# Altium PCB stencil V1.0.PcbDoc (part 1 of 5)
Units mm, origin at the board's own origin, x right, y up, seen from the top; angles counter-clockwise.
Board outline 220 x 90 mm, 2 copper layers (Top Layer, Bottom Layer); 265 components, 68 nets, 1316 pads, 556 vias.
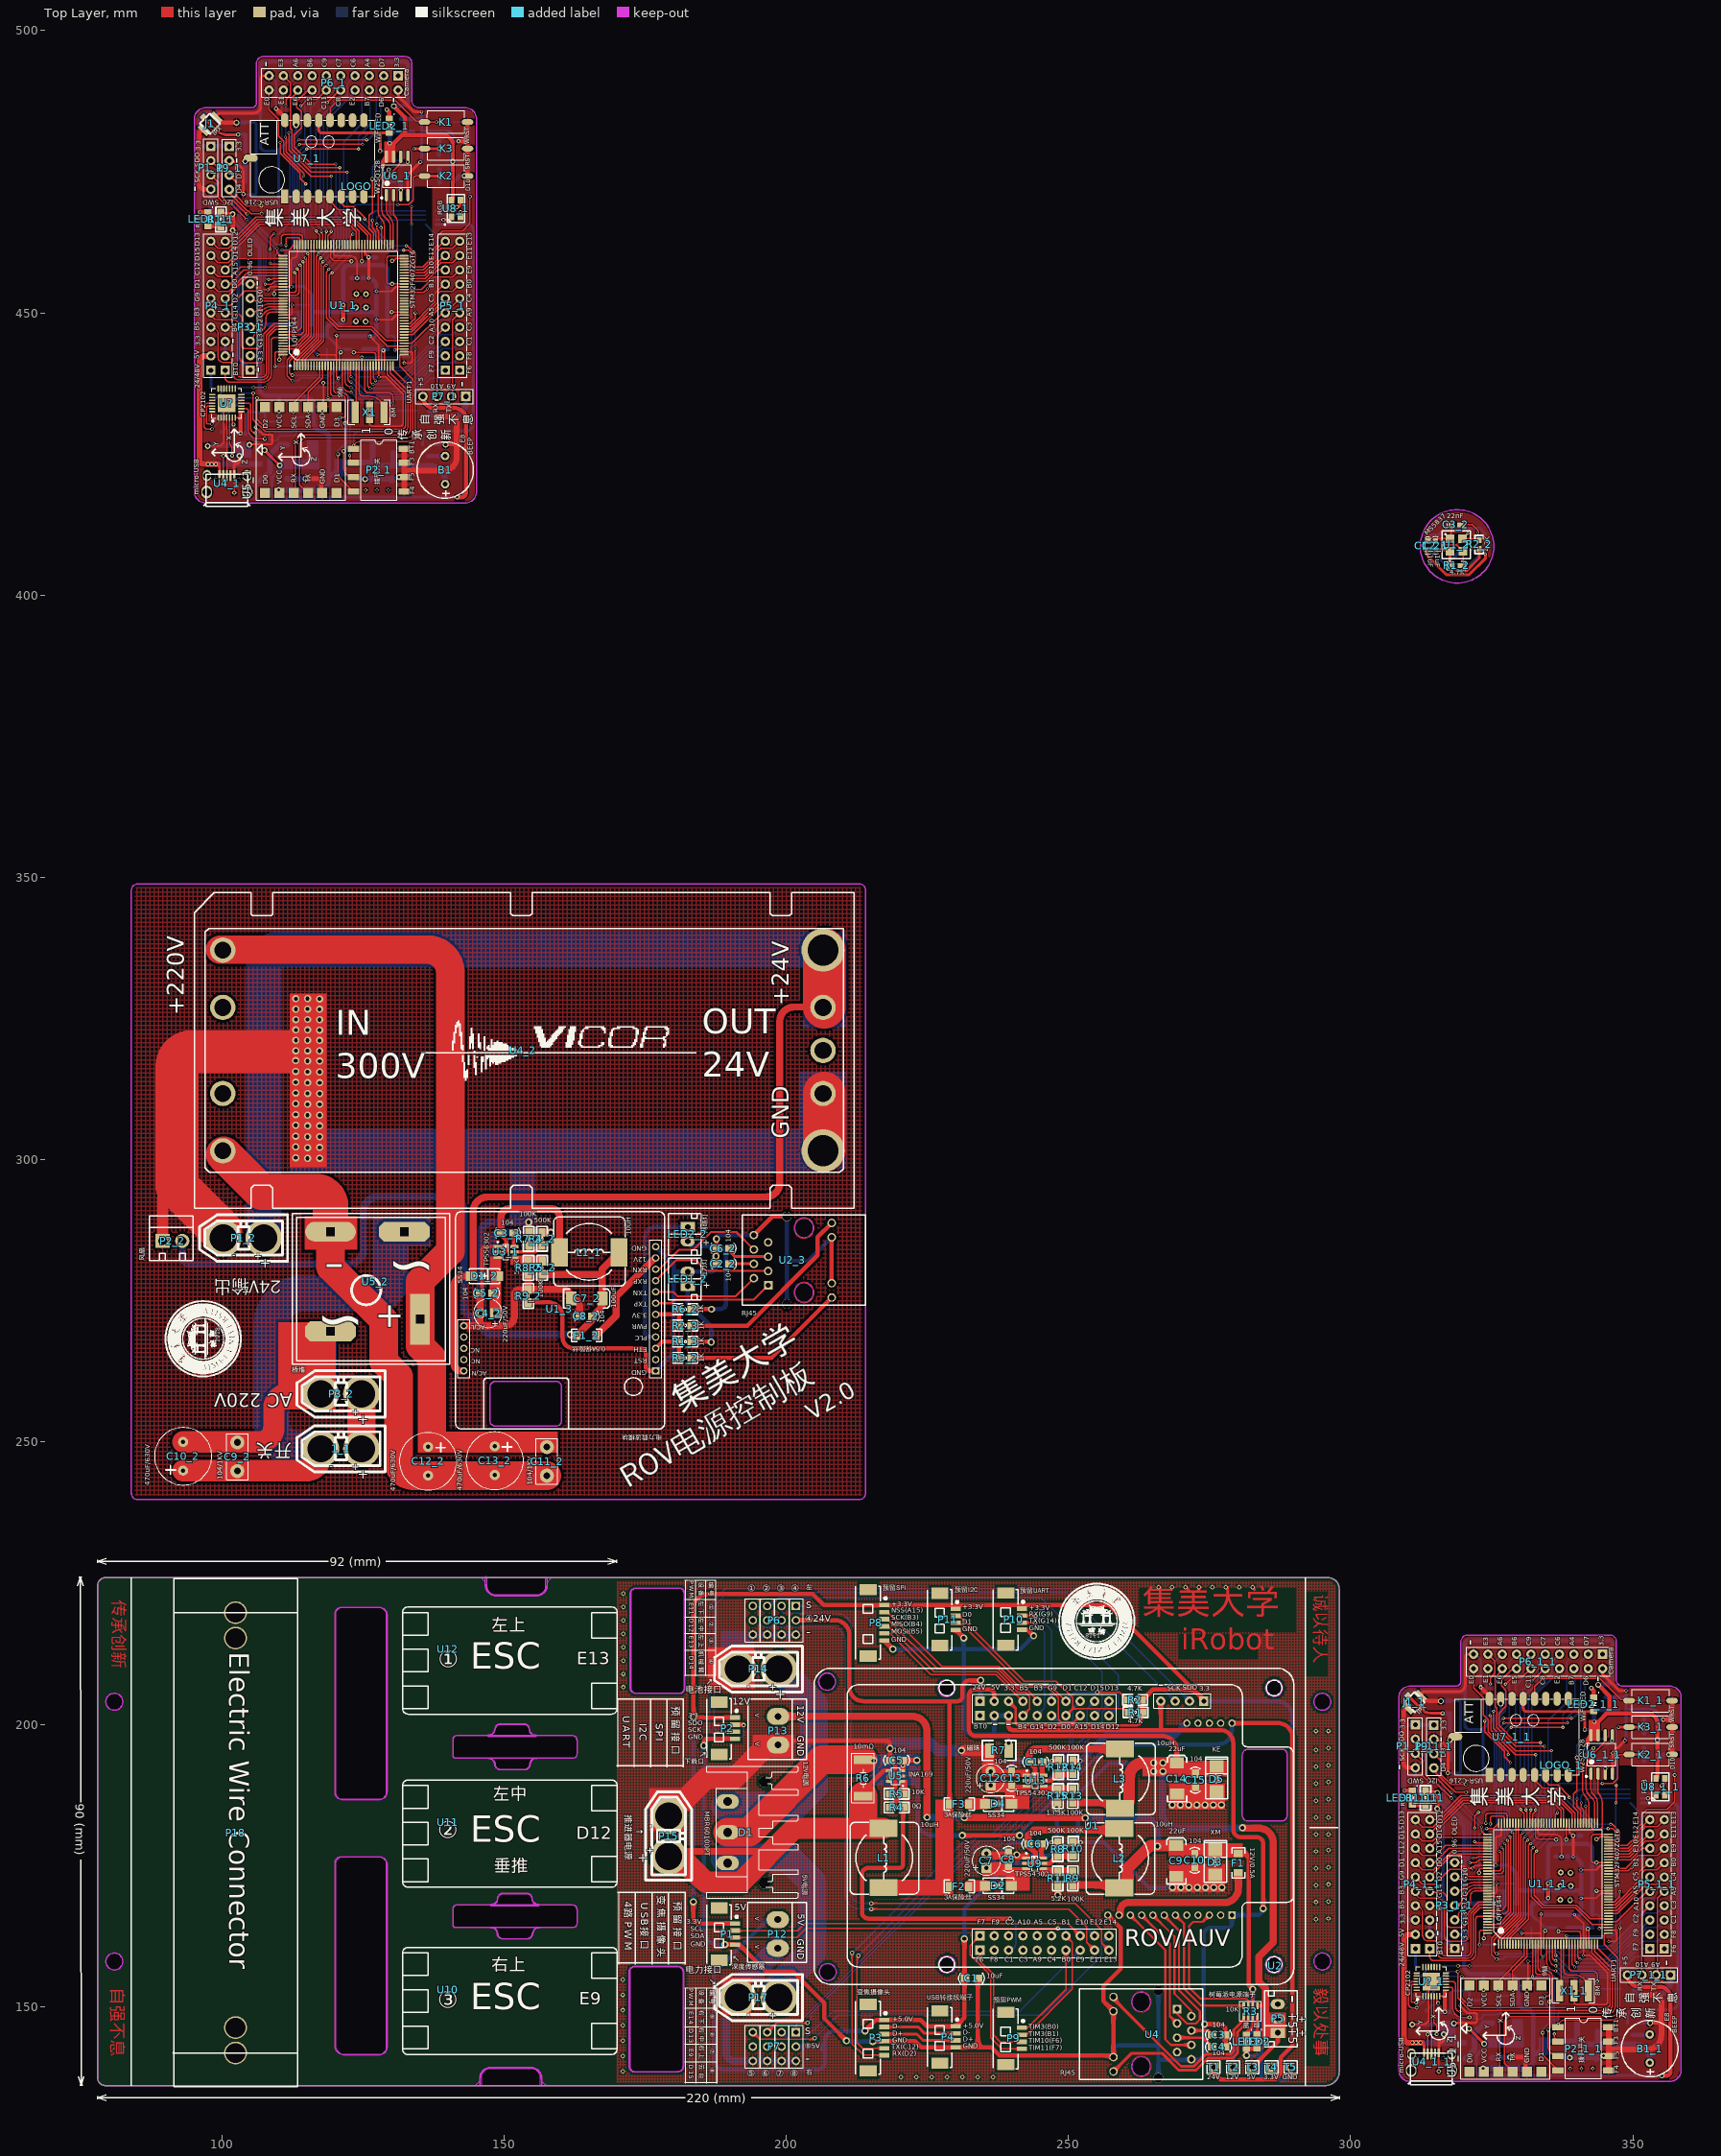
[diagram p0: Top Layer view]
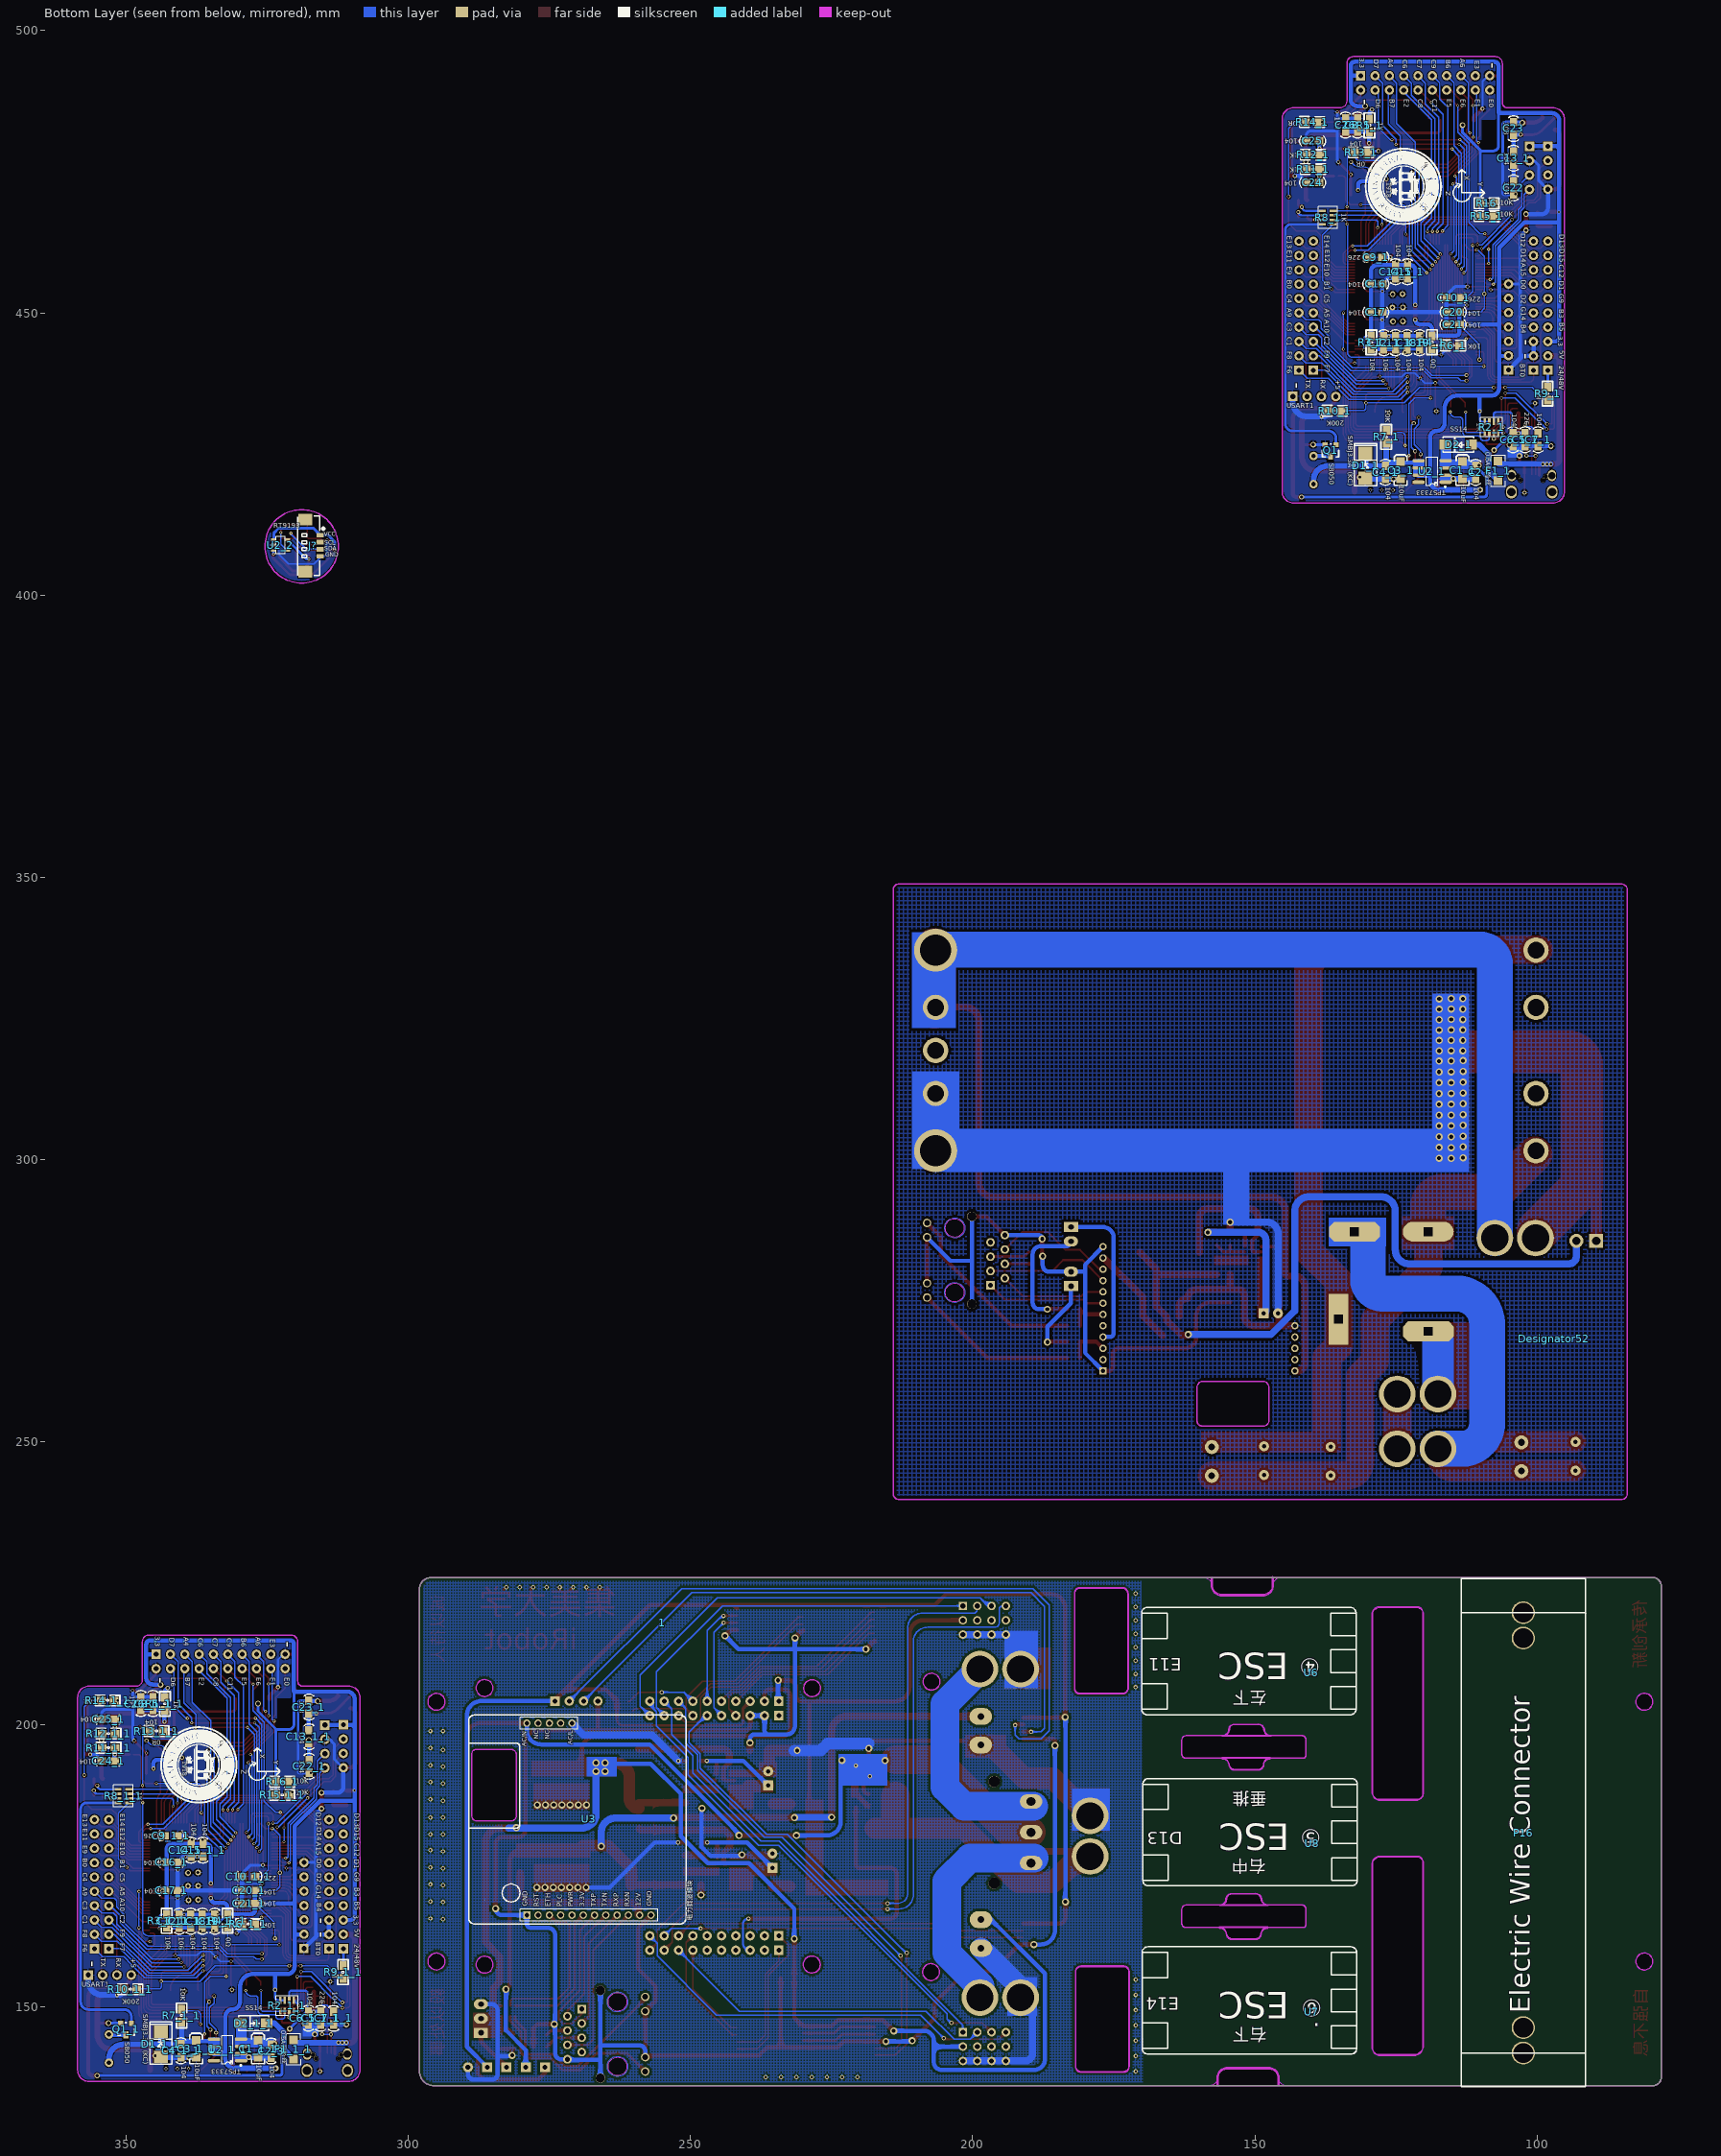
[diagram p1: Bottom Layer view, seen from below]

## Layer stack, top to bottom
Top Solder: solder mask 0.0102, Solder Resist, Dk 3.5
Top Layer: signal copper 0.0356
Dielectric 1: dielectric 0.32, FR-4, Dk 4.8
Bottom Layer: signal copper 0.0356
Bottom Solder: solder mask 0.0102, Solder Resist, Dk 3.5

## Board outline
79.5,136 cw(c79.5,137.5) 78,137.5 78,224.5 cw(c79.5,224.5) 79.5,226 296,226 cw(c296,224) 298,224 298,138.5 cw(c295.5,138.5) 295.5,136
cut-out: 293.5,204 ccw(c295,204) 295,202.5 ccw(c295,204) 296.5,204 ccw(c295,204) 295,205.5 ccw(c295,204)
cut-out: 293.5,158 ccw(c295,158) 295,156.5 ccw(c295,158) 296.5,158 ccw(c295,158) 295,159.5 ccw(c295,158)
cut-out: 172.191,139.367 172.191,156.259 cw(c172.318,156.259) 172.192,156.272 cw(c173.157,156.234) 173.157,157.2 180.828,157.2 cw(c180.828,156.147) 181.866,156.316 cw(c181.753,156.259) 181.88,156.259 181.88,139.434 cw(c180.813,139.434) 180.813,138.366 173.192,138.366 cw(c173.192,139.367)
cut-out: 173.415,205.385 cw(c173.415,206.438) 172.377,206.269 cw(c172.49,206.326) 172.363,206.326 172.363,223.151 cw(c173.43,223.151) 173.43,224.219 181.051,224.219 cw(c181.051,223.218) 182.052,223.218 182.052,206.326 cw(c181.925,206.326) 182.051,206.313 cw(c181.086,206.351) 181.086,205.385
cut-out: 81,156.5 cw(c81,158) 79.5,158 cw(c81,158) 81,159.5 cw(c81,158) 82.5,158 cw(c81,158)
cut-out: 81,202.5 cw(c81,204) 79.5,204 cw(c81,204) 81,205.5 cw(c81,204) 82.5,204 cw(c81,204)
cut-out: 205.875,156.125 cw(c207.375,156.125) 207.375,157.625 cw(c207.375,156.125) 208.875,156.125 cw(c207.375,156.125) 207.375,154.625 cw(c207.375,156.125)
cut-out: 205.782,207.596 ccw(c207.282,207.596) 207.282,206.096 ccw(c207.282,207.596) 208.782,207.596 ccw(c207.282,207.596) 207.282,209.096 ccw(c207.282,207.596)
cut-out: 120.073,143.066 120.073,175.489 cw(c121.211,175.489) 121.211,176.627 128,176.627 cw(c128,176.5) 128.042,176.62 cw(c127.9,175.2) 129.327,175.2 129.327,142.79 cw(c127.91,142.79) 127.91,141.373 121.766,141.373 cw(c121.766,143.066)
cut-out: 120.073,187.892 120.073,219.609 cw(c121.291,219.609) 121.291,220.827 127.9,220.827 cw(c127.9,219.4) 129.32,219.542 cw(c129.2,219.5) 129.327,219.5 129.327,187.99 cw(c127.91,187.99) 127.91,186.573 121.392,186.573 cw(c121.392,187.892)
cut-out: 145.741,136.1 145.741,137.452 cw(c147.516,137.452) 147.516,139.227 154.92,139.227 cw(c154.92,137.452) 156.695,137.452 156.695,136 cw(c156.568,136) 156.441,136 156.441,137.452 ccw(c154.92,137.452) 154.92,138.973 147.516,138.973 ccw(c147.516,137.452) 145.995,137.452 145.995,136.1 cw(c145.868,136.1)
cut-out: 145.741,136.1 ccw(c145.868,136.1) 145.868,135.973 156.444,135.973 ccw(c156.568,136) 156.695,136 156.695,137.452 ccw(c154.92,137.452) 154.92,139.227 147.516,139.227 ccw(c147.516,137.452) 145.741,137.452
cut-out: 144.247,135.992 ccw(c144.327,137.532) 145.868,137.452 cw(c147.516,137.452) 147.516,139.1 154.92,139.1 cw(c154.92,137.452) 156.568,137.452 ccw(c158.055,137.487) 158.09,136 158.081,135.992
cut-out: 159.182,226.009 ccw(c159.101,224.468) 157.56,224.549 cw(c155.912,224.549) 155.912,222.901 148.508,222.901 cw(c148.508,224.549) 146.86,224.549 ccw(c145.374,224.514) 145.339,226.001 145.347,226.009
cut-out: 157.688,225.901 ccw(c157.56,225.901) 157.56,226.028 146.985,226.028 ccw(c146.86,226.001) 146.733,226.001 146.733,224.549 ccw(c148.508,224.549) 148.508,222.773 155.912,222.773 ccw(c155.912,224.549) 157.688,224.549
cut-out: 157.688,225.901 157.688,224.549 cw(c155.912,224.549) 155.912,222.773 148.508,222.773 cw(c148.508,224.549) 146.733,224.549 146.733,226.001 cw(c146.86,226.001) 146.988,226.001 146.988,224.549 ccw(c148.508,224.549) 148.508,223.028 155.912,223.028 ccw(c155.912,224.549) 157.433,224.549 157.433,225.901 cw(c157.56,225.901)
cut-out: 141.468,164 cw(c141.468,164.5) 140.968,164.5 140.968,167.3 cw(c141.668,167.3) 141.668,168 162.122,168 cw(c162.122,167.154) 162.968,167.154 162.968,164.783 cw(c162.185,164.783) 162.185,164
cut-out: 141.468,194 cw(c141.468,194.5) 140.968,194.5 140.968,197.3 cw(c141.668,197.3) 141.668,198 162.122,198 cw(c162.122,197.154) 162.968,197.154 162.968,194.783 cw(c162.185,194.783) 162.185,194
cut-out: 148.818,162.816 ccw(c147.781,162.836) 148.818,162.836 ccw(c147.781,162.836) 147.8,163.873 cw(c147.803,164) 147.803,164.127 cw(c147.803,164) 147.805,164.127 147.803,164.127 156.007,164.127 cw(c156.007,164) 156.051,164.12 cw(c156.193,162.823) 156.212,164.127 cw(c156.21,164) 156.337,164 cw(c156.21,164) 156.208,163.873 ccw(c156.193,162.823) 155.144,162.838 ccw(c155.016,162.839) 155.144,162.839 155.144,162.838 cw(c155.016,162.839) 155.142,162.821 cw(c154.064,162.979) 153.915,161.899 149.917,161.899 cw(c149.822,162.903) 148.819,162.801 cw(c148.946,162.814)
cut-out: 148.361,192.814 ccw(c147.324,192.833) 148.361,192.833 ccw(c147.324,192.833) 147.343,193.87 cw(c147.345,193.997) 147.345,194.125 cw(c147.345,193.997) 147.348,194.125 147.345,194.125 155.55,194.125 cw(c155.55,193.997) 155.593,194.117 cw(c155.736,192.82) 155.755,194.125 cw(c155.753,193.997) 155.88,193.997 cw(c155.753,193.997) 155.751,193.87 ccw(c155.736,192.82) 154.686,192.835 ccw(c154.559,192.837) 154.686,192.837 154.686,192.835 cw(c154.559,192.837) 154.685,192.818 cw(c153.606,192.976) 153.458,191.897 149.46,191.897 cw(c149.365,192.9) 148.362,192.799 cw(c148.488,192.811)
cut-out: 147.725,167.876 ccw(c147.743,169.181) 147.886,167.884 ccw(c147.93,168.003) 147.93,167.876 156.134,167.876 ccw(c156.134,168.003) 156.261,168.003 ccw(c156.134,168.003) 156.136,168.131 ccw(c156.134,168.003) 156.134,168.131 156.136,168.131 cw(c156.155,169.168) 155.118,169.187 ccw(c154.991,169.189) 155.118,169.189 ccw(c154.991,169.189) 155.118,169.202 ccw(c154.114,169.1) 154.019,170.104 150.021,170.104 ccw(c149.873,169.024) 148.794,169.182 ccw(c148.92,169.164) 148.793,169.166 cw(c147.743,169.181) 147.728,168.131 ccw(c147.726,168.003)
cut-out: 147.725,167.876 ccw(c147.743,169.181) 147.886,167.884 ccw(c147.93,168.003) 147.93,167.876 156.134,167.876 ccw(c156.134,168.003) 156.261,168.003 ccw(c156.134,168.003) 156.136,168.131 ccw(c156.134,168.003) 156.134,168.131 156.136,168.131 cw(c156.155,169.168) 155.118,169.187 ccw(c154.991,169.189) 155.118,169.189 ccw(c154.991,169.189) 155.118,169.202 ccw(c154.114,169.1) 154.019,170.104 150.021,170.104 ccw(c149.873,169.024) 148.794,169.182 ccw(c148.92,169.164) 148.793,169.166 cw(c147.743,169.181) 147.728,168.131 ccw(c147.726,168.003)
cut-out: 147.242,197.873 ccw(c147.26,199.178) 147.403,197.881 ccw(c147.447,198.001) 147.447,197.873 155.651,197.873 ccw(c155.651,198.001) 155.779,198.001 ccw(c155.651,198.001) 155.654,198.128 ccw(c155.651,198.001) 155.651,198.128 155.654,198.128 cw(c155.673,199.165) 154.636,199.184 ccw(c154.508,199.187) 154.636,199.187 ccw(c154.508,199.187) 154.635,199.2 ccw(c153.632,199.098) 153.537,200.102 149.539,200.102 ccw(c149.39,199.022) 148.312,199.18 ccw(c148.438,199.161) 148.31,199.163 cw(c147.26,199.178) 147.246,198.128 ccw(c147.244,198.001)

## Design rules (kind name [scope] priority, off if disabled: settings)
Clearance [All] p1: gap=0.203
ComponentClearance [All] p1: gap=0 collisioncheckmode=3 verticalgap=0 showdistances=FALSE
DiffPairsRouting [All] p1: maxlimit=0.254 minlimit=0.254 mostfreqgap=0.254 toplayer_minwidth=0.381 toplayer_maxwidth=0.381 toplayer_prefwidth=0.381 bottomlayer_minwidth=0.381 bottomlayer_maxwidth=0.381 bottomlayer_prefwidth=0.381 maxuncoupledlength=12.7
PolygonConnect [All] p1: connectstyle=Relief reliefconductorwidth=0.254 reliefentries=4 polygonreliefangle="90 Angle" airgapwidth=0.254
RoutingVias [All] p1: holewidth=0.711 width=1.27 viastyle="Through Hole" minholewidth=0.711 minwidth=1.27 maxholewidth=0.711 maxwidth=1.27
SolderMaskExpansion [All] p1: expansion=0.102
Width [All] p1: maxlimit=5.08 minlimit=0.254 preferedwidth=0.254
28 further rules are at their usual default settings.

## Classes and differential pairs
component class "Robot-Control V3.0": 1 C1 C3 C4 F1 LED1 LED2 P1 P2 P3 P4 P5 P6 P7 P8 P9 P10 P11 P12 P13 R1 R2 R3 U1 U2 U3 U4
component class "Robot-Power V3.0": C5 C6 C7 C8 C9 C10 C11 C12 C13 C14 C15 D1 D2 D3 D4 D5 F2 F3 L1 L2 L3 P14 P15 P16 P17 P18 R4 R5 R6 R7 R8 R9 R10 R11 R12 R13 R14 R15 T1 T2 T3 T4 T5 U5 U6 U7 U8 U9 U10 U11 U12 U13 U?
differential pair EPHY_RX: +EPHY_RX_P -EPHY_RX_N
differential pair EPHY_TX: +EPHY_TX_P -EPHY_TX_N

## Components (designator, comment, footprint, x,y, rotation, side; value= is the part's Value field where it differs from the comment)
1 "" JMU_LOGO(1.35cm) 255,218 r180 bottom
1_1 "开关" XT60-F 125.26,248.814 r180 top (schematic designator 1)
B1 "BEEP" BUZZER 139.609,422.169 r90 top
B1_1 "BEEP" BUZZER 353.009,142.569 r90 top (schematic designator B1)
C1 "10uF" 0805C 233.858,155.042 r180 top
C1_1 "10uF" TAJ-A 113.202,423.654 r90 bottom (schematic designator C1)
C1_1_1 "10uF" TAJ-A 326.602,144.054 r90 bottom (schematic designator C1)
C1_2 "1uF" 0603C 320.834,407.104 r270 top (schematic designator C1)
C2 "104" 0805C 110.879,420.725 r90 bottom
C2_1 "1uF" 0603C 307.905,410.508 r90 top (schematic designator C2)
C2_2 "104" 0805C 187.858,281.546 r0 top (schematic designator C2)
C2_3 "104" 0805C 324.279,141.125 r90 bottom (schematic designator C2)
C3 "104" 0805C 277.659,145 r180 top
C3_1 "10uF" TAJ-A 124.164,423.654 r90 bottom (schematic designator C3)
C3_1_1 "10uF" TAJ-A 337.564,144.054 r90 bottom (schematic designator C3)
C3_2 "22nF" 0603C 316.922,405.326 r180 top (schematic designator C3)
C3_3 "104" 0805C 149.593,287.041 r0 top (schematic designator C3)
C4 "104" 0805C 277.659,142.841 r180 top
C4_1 "104" 0805C 126.864,420.754 r90 bottom (schematic designator C4)
C4_1_1 "104" 0805C 340.264,141.154 r90 bottom (schematic designator C4)
C4_2 "220uF/50V" RB.1.2 148.45,272.815 r180 top (schematic designator C4)
C5 "104" 0805C 218.547,193.624 r0 top
C5_1 "226" 0805C 102.138,428.557 r270 bottom (schematic designator C5)
C5_1_1 "226" 0805C 315.538,148.957 r270 bottom (schematic designator C5)
C5_2 "104" 0805C 145.884,276.373 r0 top (schematic designator C5)
C6 "104" 0805C 243.052,178.791 r0 top
C6_1 "104" 0805C 104.277,428.588 r270 bottom (schematic designator C6)
C6_1_1 "104" 0805C 317.677,148.988 r270 bottom (schematic designator C6)
C6_2 "104" 0805C 187.794,284.321 r0 top (schematic designator C6)
C7 "220uF/50V" RB.1.2 235.482,174.574 r90 top
C7_1 "104" 0805C 99.838,428.557 r270 bottom (schematic designator C7)
C7_1_1 "104" 0805C 313.238,148.957 r270 bottom (schematic designator C7)
C7_2 "100uF" TAJ-C 167.449,275.458 r0 top (schematic designator C7)
C8 "104" 0805C 239.394,177.114 r270 top
C8_1 "104" 0805C 131.811,482.258 r90 bottom (schematic designator C8)
C8_1_1 "104" 0805C 345.211,202.658 r90 bottom (schematic designator C8)
C8_2 "104" 0805C 163.563,272.309 r0 top (schematic designator C8)
C9 "22uF" TAJ-C 269.112,178.562 r90 top
C9_1 "226" 0805C 127.569,459.88 r0 bottom (schematic designator C9)
C9_1_1 "226" 0805C 340.969,180.28 r0 bottom (schematic designator C9)
C9_2 "104/1KV" 无极性直插电容 102.734,249.946 r270 top (schematic designator C9)
C10 "104" 0805C 272.414,174.879 r90 top
C10_1 "226" 0805C 115.854,452.667 r180 bottom (schematic designator C10)
C10_1_1 "226" 0805C 329.254,173.067 r180 bottom (schematic designator C10)
C10_2 "470uF/630V" RB.2.4 93.185,244.946 r90 top (schematic designator C10)
C11 "104" 0805C 243.204,193.319 r0 top
C11_1 "104" 0805C 125.114,445.754 r270 bottom (schematic designator C11)
C11_1_1 "104" 0805C 338.514,166.154 r270 bottom (schematic designator C11)
C11_2 "104/1KV" 无极性直插电容 157.685,244.046 r90 top (schematic designator C11)
C12 "220uF/50V" RB.1.2 236.219,189.154 r90 top
C12_1 "106" 0805C 127.164,445.754 r270 bottom (schematic designator C12)
C12_1_1 "106" 0805C 340.564,166.154 r270 bottom (schematic designator C12)
C12_2 "470uF/630V" RB.2.4 136.585,249.146 r270 top (schematic designator C12)
C13 "104" 0805C 239.953,191.491 r270 top
C13_1 "104" 0805C 104.201,478.434 r270 bottom (schematic designator C13)
C13_1_1 "104" 0805C 317.601,198.834 r270 bottom (schematic designator C13)
C13_2 "470uF/630V" RB.2.4 148.385,249.246 r270 top (schematic designator C13)
C14 "22uF" TAJ-C 269.239,193.167 r90 top
C14_1 "104" 0805C 125.08,456.299 r90 bottom (schematic designator C14)
C14_1_1 "104" 0805C 338.48,176.699 r90 bottom (schematic designator C14)
C15 "104" 0805C 272.516,189.103 r90 top
C15_1 "104" 0805C 122.946,456.299 r90 bottom (schematic designator C15)
C15_1_1 "104" 0805C 336.346,176.699 r90 bottom (schematic designator C15)
C16 "104" 0805C 127.564,455.154 r0 bottom
C16_1 "104" 0805C 340.964,175.554 r0 bottom (schematic designator C16)
C17 "104" 0805C 127.564,450.152 r0 bottom
C17_1 "104" 0805C 340.964,170.552 r0 bottom (schematic designator C17)
C18 "104" 0805C 123.064,445.754 r270 bottom
C18_1 "104" 0805C 336.464,166.154 r270 bottom (schematic designator C18)
C19 "104" 0805C 120.864,445.754 r270 bottom
C19_1 "104" 0805C 334.264,166.154 r270 bottom (schematic designator C19)
C20 "104" 0805C 115.885,450.178 r180 bottom
C20_1 "104" 0805C 329.285,170.578 r180 bottom (schematic designator C20)
C21 "104" 0805C 115.911,447.917 r180 bottom
C21_1 "104" 0805C 329.311,168.317 r180 bottom (schematic designator C21)
C22 "104" 0805C 104.176,471.133 r90 bottom
C22_1 "104" 0805C 317.576,191.533 r90 bottom (schematic designator C22)
C23 "103" 0805C 104.201,483.68 r270 bottom
C23_1 "103" 0805C 317.601,204.08 r270 bottom (schematic designator C23)
C24 "104" 0805C 138.759,473.102 r0 bottom
C24_1 "104" 0805C 352.159,193.502 r0 bottom (schematic designator C24)
C25 "104" 0805C 138.759,480.478 r0 bottom
C25_1 "104" 0805C 352.159,200.878 r0 bottom (schematic designator C25)
C26 "104" 0805C 133.945,482.258 r90 bottom
C26_1 "104" 0805C 347.345,202.658 r90 bottom (schematic designator C26)
D1 "MBR60100PT" TO-247LS 196.2,189.875 r270 top
D1_1 "SMBJ3.3A  (KC)" SMBJ 130.364,420.754 r0 bottom (schematic designator D1)
D1_1_1 "SMBJ3.3A  (KC)" SMBJ 343.764,141.154 r0 bottom (schematic designator D1)
D1_2 "SS34" SMA/DO-214AC 144.437,279.37 r0 top (schematic designator D1)
D2 "SS34" SMA/DO-214AC 235.508,171.374 r0 top
D2_1 "SS14" SMA/DO-214AC 111.847,426.708 r0 bottom (schematic designator D2)
D2_1_1 "SS14" SMA/DO-214AC 325.247,147.108 r0 bottom (schematic designator D2)
D3 "XM" SMBJ 276.097,173.355 r180 top
D4 "SS34" SMA/DO-214AC 235.533,185.903 r0 top
D5 "KE" SMBJ 276.326,188.112 r180 top
Designator52 "Comment" JMU_LOGO(1.35cm) 97.058,268.346 r90 bottom
F1 "12V/0.5A" FUSE-1206 280.175,177.125 r270 top
F1_1 "0.5A保险丝" 1206R 106.944,422.06 r270 bottom (schematic designator F1)
F1_1_1 "0.5A保险丝" 1206R 320.344,142.46 r270 bottom (schematic designator F1)
F1_2 "0.5A保险丝" FUSE-1206 162.958,268.946 r0 top (schematic designator F1)
F2 "3A保险丝" FUSE-1206 228.98,171.323 r0 top
F3 "3A保险丝" FUSE-1206 228.98,185.928 r0 top
J1 "IPX" IPX天线底座 96.784,484.755 r315 top
J1_1 "IPX" IPX天线底座 310.184,205.155 r315 top (schematic designator J1)
J? "MX1.25-4P" MX1.25S-4P 317.837,408.762 r270 bottom locked
K1 "WRST" 贴片按键 143.419,483.883 r180 top
K1_1 "WRST" 贴片按键 356.819,204.283 r180 top (schematic designator K1)
K2 "D10" 贴片按键 136.104,474.198 r0 top
K2_1 "D10" 贴片按键 349.504,194.598 r0 top (schematic designator K2)
K3 "SRST" 贴片按键 136.104,479.05 r0 top
K3_1 "SRST" 贴片按键 349.504,199.45 r0 top (schematic designator K3)
L1 "10uH" CDRH124 215.113,179.121 r270 top
L1_1 "10uH" CDRH124 162.318,281.427 r0 top (schematic designator L1)
L2 "10uH" CDRH124 256.896,179.095 r270 top
L3 "10uH" CDRH124 256.997,193.192 r270 top
LED1 "蓝" 0805LED(RED) 281.7,144.998 r270 top
LED1_1 "RED" 0805LED(RED) 97.673,467.805 r270 top (schematic designator LED1)
LED1_1_1 "RED" 0805LED(RED) 311.073,188.205 r270 top (schematic designator LED1)
LED1_2 "电力灯" XH2/2.54mm/180#1 182.583,280.048 r270 top (schematic designator LED1)
LED2 "绿" 0805LED(RED) 283.515,145.034 r270 top
LED2_1 "WiFi-LED" 0805LED(GREEN) 129.754,484.366 r270 top (schematic designator LED2)
LED2_1_1 "WiFi-LED" 0805LED(GREEN) 343.154,204.766 r270 top (schematic designator LED2)
LED2_2 "网络灯" XH2/2.54mm/180#2 182.583,287.973 r270 top (schematic designator LED2)